# Altium PCB XTIDA-010086.PcbDoc (part 3 of 17)
Units mm, origin at the board's own origin, x right, y up, seen from the top; angles counter-clockwise.
Board outline 375 x 210 mm, 6 copper layers (Top Layer, GND Layer, Signal Layer 1, Signal Layer 2, Power Layer, Bottom Layer), stack 1.575 mm thick; 1884 components, 1036 nets, 4948 pads, 6791 vias.
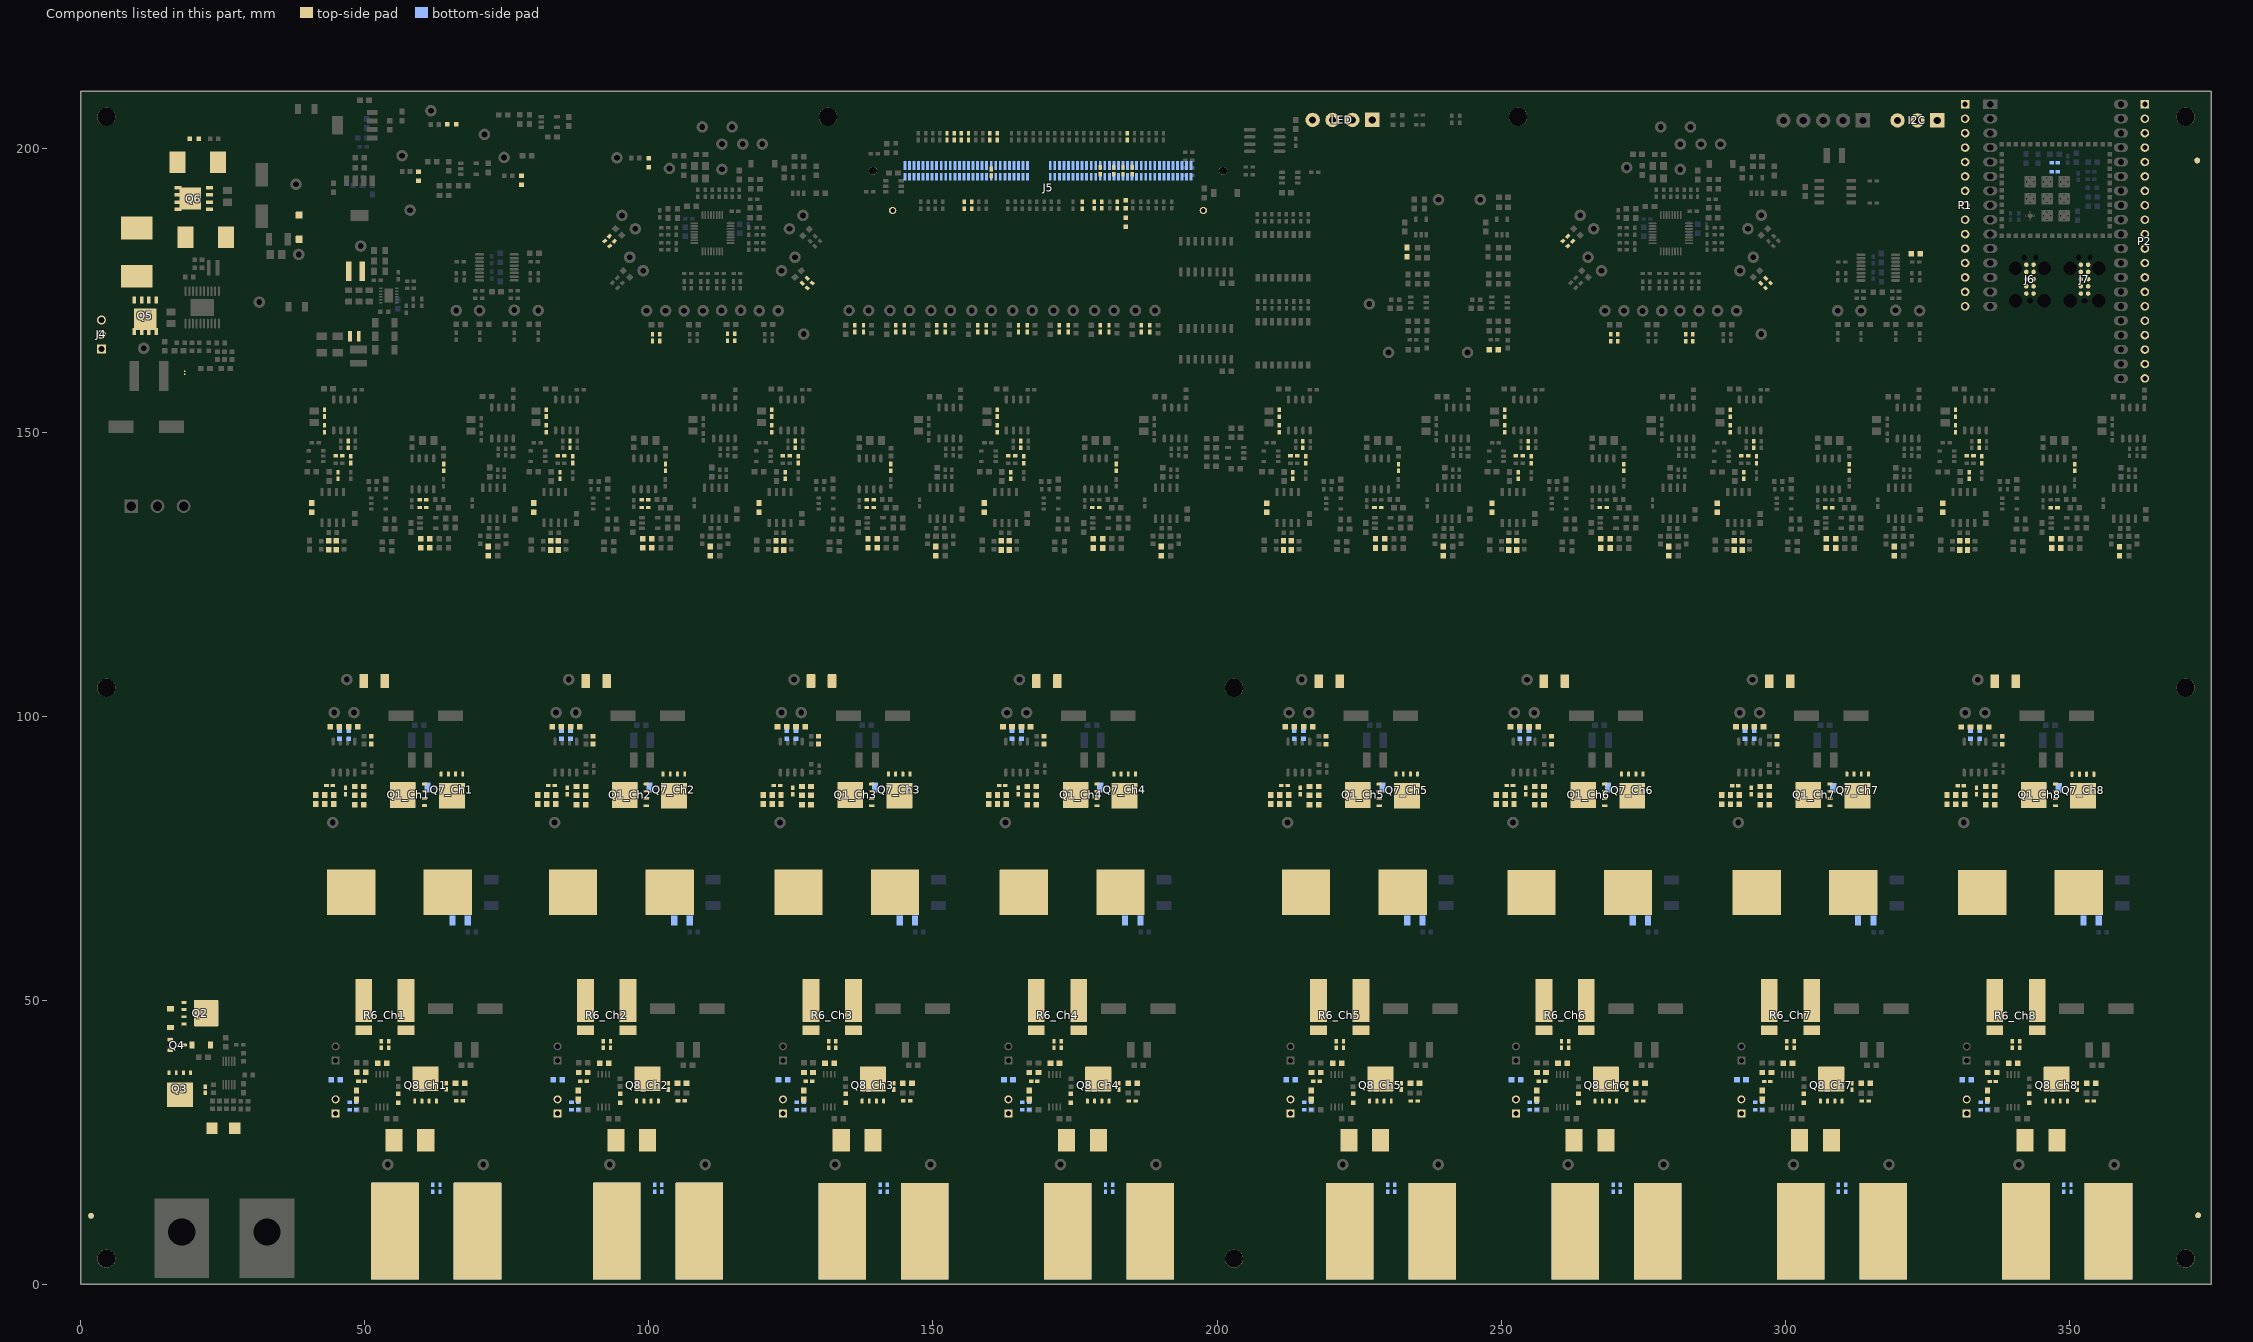
[diagram p7: the components of this part, seen from the top]

## Components (designator, comment, footprint, x,y, rotation, side; value= is the part's Value field where it differs from the comment) (continued)
D3_Ch1 "NSR0240V2T1G" SOD-523 46.586,86.82 r270 top value=40V (schematic designator D3)
D3_Ch2 "NSR0240V2T1G" SOD-523 85.652,86.818 r270 top value=40V (schematic designator D3)
D3_Ch3 "NSR0240V2T1G" SOD-523 125.326,86.816 r270 top value=40V (schematic designator D3)
D3_Ch4 "NSR0240V2T1G" SOD-523 165.001,86.814 r270 top value=40V (schematic designator D3)
D3_Ch5 "NSR0240V2T1G" SOD-523 214.676,86.812 r270 top value=40V (schematic designator D3)
D3_Ch6 "NSR0240V2T1G" SOD-523 254.351,86.81 r270 top value=40V (schematic designator D3)
D3_Ch7 "NSR0240V2T1G" SOD-523 294.026,86.808 r270 top value=40V (schematic designator D3)
D3_Ch8 "NSR0240V2T1G" SOD-523 333.7,86.806 r270 top value=40V (schematic designator D3)
D4_Ch1 "NSR0240V2T1G" SOD-523 43.792,87.785 r180 top value=40V (schematic designator D4)
D4_Ch2 "NSR0240V2T1G" SOD-523 82.858,87.784 r180 top value=40V (schematic designator D4)
D4_Ch3 "NSR0240V2T1G" SOD-523 122.532,87.781 r180 top value=40V (schematic designator D4)
D4_Ch4 "NSR0240V2T1G" SOD-523 162.207,87.779 r180 top value=40V (schematic designator D4)
D4_Ch5 "NSR0240V2T1G" SOD-523 211.882,87.777 r180 top value=40V (schematic designator D4)
D4_Ch6 "NSR0240V2T1G" SOD-523 251.557,87.775 r180 top value=40V (schematic designator D4)
D4_Ch7 "NSR0240V2T1G" SOD-523 291.232,87.773 r180 top value=40V (schematic designator D4)
D4_Ch8 "NSR0240V2T1G" SOD-523 330.906,87.771 r180 top value=40V (schematic designator D4)
D5 "1N4148W-7-F" SOD-123 15.773,46.838 r90 top value=100V
D6 "1N4148W-7-F" SOD-123 21.209,42.139 r180 top value=100V
D7 "NSR0240V2T1G" SOD-523 21.903,34.228 r270 top value=40V
D8 "SMAJ18A" SMA 25.082,27.478 r0 top value=18V
D9 "B530C-13-F" SMC 20.587,197.477 r180 top value=30V
D10 "CDBC5100-G" SMC 21.984,184.32 r0 top value=100V
D11 "150060VS75000" WL-SMCW_GREEN 19.964,201.668 r0 top value=Green
D12 "NSR0240V2T1G" SOD-523 347.485,197.428 r0 bottom value=40V
D13 "NSR0240V2T1G" SOD-523 347.485,195.828 r0 bottom value=40V
D14 "150060VS75000" WL-SMCW_GREEN 99.952,197.434 r90 top value=Green
D15 "150060VS75000" WL-SMCW_GREEN 77.569,194.309 r90 top value=Green
D17 "150060VS75000" WL-SMCW_GREEN 59.438,195.048 r90 top value=Green
D18 "150060VS75000" WL-SMCW_GREEN 65.278,204.155 r180 top value=Green
D33 "150060VS75000" WL-SMCW_GREEN 183.947,186.919 r90 top value=Green
D34_Ch1 "NSR0240V2T1G" SOD-523 49.428,35.697 r0 top value=40V (schematic designator D34)
D34_Ch2 "NSR0240V2T1G" SOD-523 88.494,35.695 r0 top value=40V (schematic designator D34)
D34_Ch3 "NSR0240V2T1G" SOD-523 128.169,35.693 r0 top value=40V (schematic designator D34)
D34_Ch4 "NSR0240V2T1G" SOD-523 167.844,35.691 r0 top value=40V (schematic designator D34)
D34_Ch5 "NSR0240V2T1G" SOD-523 217.518,35.689 r0 top value=40V (schematic designator D34)
D34_Ch6 "NSR0240V2T1G" SOD-523 257.193,35.687 r0 top value=40V (schematic designator D34)
D34_Ch7 "NSR0240V2T1G" SOD-523 296.868,35.685 r0 top value=40V (schematic designator D34)
D34_Ch8 "NSR0240V2T1G" SOD-523 336.543,35.683 r0 top value=40V (schematic designator D34)
D35_Ch1 "NSR0240V2T1G" SOD-523 64.338,34.823 r270 top value=40V (schematic designator D35)
D35_Ch2 "NSR0240V2T1G" SOD-523 103.403,34.821 r270 top value=40V (schematic designator D35)
D35_Ch3 "NSR0240V2T1G" SOD-523 143.078,34.819 r270 top value=40V (schematic designator D35)
D35_Ch4 "NSR0240V2T1G" SOD-523 182.753,34.817 r270 top value=40V (schematic designator D35)
D35_Ch5 "NSR0240V2T1G" SOD-523 232.428,34.815 r270 top value=40V (schematic designator D35)
D35_Ch6 "NSR0240V2T1G" SOD-523 272.103,34.813 r270 top value=40V (schematic designator D35)
D35_Ch7 "NSR0240V2T1G" SOD-523 311.777,34.811 r270 top value=40V (schematic designator D35)
D35_Ch8 "NSR0240V2T1G" SOD-523 351.452,34.809 r270 top value=40V (schematic designator D35)
D36_Ch1 "150060VS75000" WL-SMCW_GREEN 55.867,32.721 r90 top value=Green (schematic designator D36)
D36_Ch2 "150060VS75000" WL-SMCW_GREEN 94.932,32.719 r90 top value=Green (schematic designator D36)
D36_Ch3 "150060VS75000" WL-SMCW_GREEN 134.607,32.717 r90 top value=Green (schematic designator D36)
D36_Ch4 "150060VS75000" WL-SMCW_GREEN 174.282,32.715 r90 top value=Green (schematic designator D36)
D36_Ch5 "150060VS75000" WL-SMCW_GREEN 223.957,32.713 r90 top value=Green (schematic designator D36)
D36_Ch6 "150060VS75000" WL-SMCW_GREEN 263.632,32.711 r90 top value=Green (schematic designator D36)
D36_Ch7 "150060VS75000" WL-SMCW_GREEN 303.306,32.709 r90 top value=Green (schematic designator D36)
D36_Ch8 "150060VS75000" WL-SMCW_GREEN 342.981,32.707 r90 top value=Green (schematic designator D36)
F1_Ch1 "6125FA15A" 6125FA 57.912,25.349 r0 top (schematic designator F1)
F1_Ch2 "6125FA15A" 6125FA 96.977,25.347 r0 top (schematic designator F1)
F1_Ch3 "6125FA15A" 6125FA 136.652,25.345 r0 top (schematic designator F1)
F1_Ch4 "6125FA15A" 6125FA 176.327,25.343 r0 top (schematic designator F1)
F1_Ch5 "6125FA15A" 6125FA 226.002,25.341 r0 top (schematic designator F1)
F1_Ch6 "6125FA15A" 6125FA 265.676,25.339 r0 top (schematic designator F1)
F1_Ch7 "6125FA15A" 6125FA 305.351,25.337 r0 top (schematic designator F1)
F1_Ch8 "6125FA15A" 6125FA 345.026,25.335 r0 top (schematic designator F1)
FID1 "Fiducial" FIDUCIAL10-20 1.803,12.04 r0 top
FID2 "Fiducial" FIDUCIAL10-20 372.712,12.116 r0 top
FID3 "Fiducial" FIDUCIAL10-20 372.56,197.808 r0 top
FID4 "Fiducial" FIDUCIAL10-20 1.803,12.04 r180 bottom
FID5 "Fiducial" FIDUCIAL10-20 372.712,12.116 r180 bottom
FID6 "Fiducial" FIDUCIAL10-20 372.56,197.808 r180 bottom
H1 "NY PMS 440 0025 PH" "NY PMS 440 0025 PH"#1 4.5,205.5 r0 top
H2 "NY PMS 440 0025 PH" "NY PMS 440 0025 PH"#1 370.5,205.5 r0 top
H3 "NY PMS 440 0025 PH" "NY PMS 440 0025 PH"#1 370.5,4.5 r0 top
H4 "NY PMS 440 0025 PH" "NY PMS 440 0025 PH"#1 4.5,4.5 r0 top
H5 "NY PMS 440 0025 PH" "NY PMS 440 0025 PH"#1 370.5,105 r0 top
H6 "NY PMS 440 0025 PH" "NY PMS 440 0025 PH"#2 4.5,105 r0 top
H7 "2205" KEYSTONE_2205 4.5,4.5 r180 bottom
H8 "2205" KEYSTONE_2205 370.5,4.5 r180 bottom
H9 "2205" KEYSTONE_2205 370.5,105 r180 bottom
H10 "2205" KEYSTONE_2205 370.5,205.5 r180 bottom
H11 "2205" KEYSTONE_2205 4.5,205.5 r180 bottom
H12 "2205" KEYSTONE_2205 4.5,105 r180 bottom
H13 "NY PMS 440 0025 PH" "NY PMS 440 0025 PH"#1 203,4.5 r0 top
H14 "NY PMS 440 0025 PH" "NY PMS 440 0025 PH"#1 203,105 r0 top
H15 "2205" KEYSTONE_2205 203,4.5 r180 bottom
H16 "2205" KEYSTONE_2205 203,105 r180 bottom
H17 "NY PMS 440 0025 PH" "NY PMS 440 0025 PH"#1 253,205.5 r0 top
H18 "2205" KEYSTONE_2205 253,205.565 r180 bottom
H19 "NY PMS 440 0025 PH" "NY PMS 440 0025 PH"#1 131.5,205.5 r0 top locked
H20 "2205" KEYSTONE_2205 131.5,205.5 r180 bottom
I2C "Header 3" TERM_BLK_ED555-3DS 326.796,204.851 r180 top
J1_Ch1 "CB25-18-CY" FP-CB25-18-CY_CONN_TERM_LUG_25MM4_7MM9-MFG 55.296,4.902 r90 top (schematic designator J1)
J1_Ch2 "CB25-18-CY" FP-CB25-18-CY_CONN_TERM_LUG_25MM4_7MM9-MFG 94.361,4.9 r90 top (schematic designator J1)
J1_Ch3 "CB25-18-CY" FP-CB25-18-CY_CONN_TERM_LUG_25MM4_7MM9-MFG 134.036,4.898 r90 top (schematic designator J1)
J1_Ch4 "CB25-18-CY" FP-CB25-18-CY_CONN_TERM_LUG_25MM4_7MM9-MFG 173.711,4.896 r90 top (schematic designator J1)
J1_Ch5 "CB25-18-CY" FP-CB25-18-CY_CONN_TERM_LUG_25MM4_7MM9-MFG 223.385,4.894 r90 top (schematic designator J1)
J1_Ch6 "CB25-18-CY" FP-CB25-18-CY_CONN_TERM_LUG_25MM4_7MM9-MFG 263.06,4.892 r90 top (schematic designator J1)
J1_Ch7 "CB25-18-CY" FP-CB25-18-CY_CONN_TERM_LUG_25MM4_7MM9-MFG 302.735,4.89 r90 top (schematic designator J1)
J1_Ch8 "CB25-18-CY" FP-CB25-18-CY_CONN_TERM_LUG_25MM4_7MM9-MFG 342.41,4.888 r90 top (schematic designator J1)
J2_Ch1 "B2B-EH-A(LF)(SN)" JST_B2B-EH-A 44.856,31.293 r90 top (schematic designator J2)
J2_Ch2 "B2B-EH-A(LF)(SN)" JST_B2B-EH-A 83.922,31.291 r90 top (schematic designator J2)
J2_Ch3 "B2B-EH-A(LF)(SN)" JST_B2B-EH-A 123.596,31.289 r90 top (schematic designator J2)
J2_Ch4 "B2B-EH-A(LF)(SN)" JST_B2B-EH-A 163.271,31.287 r90 top (schematic designator J2)
J2_Ch5 "B2B-EH-A(LF)(SN)" JST_B2B-EH-A 212.946,31.285 r90 top (schematic designator J2)
J2_Ch6 "B2B-EH-A(LF)(SN)" JST_B2B-EH-A 252.621,31.283 r90 top (schematic designator J2)
J2_Ch7 "B2B-EH-A(LF)(SN)" JST_B2B-EH-A 292.296,31.281 r90 top (schematic designator J2)
J2_Ch8 "B2B-EH-A(LF)(SN)" JST_B2B-EH-A 331.97,31.279 r90 top (schematic designator J2)
J3_Ch1 "CB25-18-CY" FP-CB25-18-CY_CONN_TERM_LUG_25MM4_7MM9-MFG 69.825,4.902 r90 top (schematic designator J3)
J3_Ch2 "CB25-18-CY" FP-CB25-18-CY_CONN_TERM_LUG_25MM4_7MM9-MFG 108.89,4.9 r90 top (schematic designator J3)
J3_Ch3 "CB25-18-CY" FP-CB25-18-CY_CONN_TERM_LUG_25MM4_7MM9-MFG 148.565,4.898 r90 top (schematic designator J3)
J3_Ch4 "CB25-18-CY" FP-CB25-18-CY_CONN_TERM_LUG_25MM4_7MM9-MFG 188.239,4.896 r90 top (schematic designator J3)
J3_Ch5 "CB25-18-CY" FP-CB25-18-CY_CONN_TERM_LUG_25MM4_7MM9-MFG 237.914,4.894 r90 top (schematic designator J3)
J3_Ch6 "CB25-18-CY" FP-CB25-18-CY_CONN_TERM_LUG_25MM4_7MM9-MFG 277.589,4.892 r90 top (schematic designator J3)
J3_Ch7 "CB25-18-CY" FP-CB25-18-CY_CONN_TERM_LUG_25MM4_7MM9-MFG 317.264,4.89 r90 top (schematic designator J3)
J3_Ch8 "CB25-18-CY" FP-CB25-18-CY_CONN_TERM_LUG_25MM4_7MM9-MFG 356.939,4.888 r90 top (schematic designator J3)
J4 "0022284033" MOLEX_0022284033 3.632,167.183 r90 top
J5 "HSEC8-160-01-X-RA-BL" HSEC8-160-01-X-RA-BL 170.25,187 r180 bottom locked
J6 "10 Pin ProgHeader" TC2050-NL-SMD_W/MOUNT 343.098,176.921 r90 top
J7 "10 Pin ProgHeader" TC2050-NL-SMD_W/MOUNT 352.703,176.921 r90 top
L1_Ch1 "74437324010" WE-LHMI_4020 51.638,106.172 r0 top value=1uH (schematic designator L1)
L1_Ch2 "74437324010" WE-LHMI_4020 90.703,106.17 r0 top value=1uH (schematic designator L1)
L1_Ch3 "74437324010" WE-LHMI_4020 130.378,106.168 r0 top value=1uH (schematic designator L1)
L1_Ch4 "74437324010" WE-LHMI_4020 170.053,106.166 r0 top value=1uH (schematic designator L1)
L1_Ch5 "74437324010" WE-LHMI_4020 219.728,106.164 r0 top value=1uH (schematic designator L1)
L1_Ch6 "74437324010" WE-LHMI_4020 259.403,106.162 r0 top value=1uH (schematic designator L1)
L1_Ch7 "74437324010" WE-LHMI_4020 299.077,106.16 r0 top value=1uH (schematic designator L1)
L1_Ch8 "74437324010" WE-LHMI_4020 338.752,106.158 r0 top value=1uH (schematic designator L1)
L2_Ch1 "74437529203470" "WE-HCF ROUND_2920" 56.083,68.961 r180 top value=47uH (schematic designator L2)
L2_Ch2 "74437529203470" "WE-HCF ROUND_2920" 95.148,68.959 r180 top value=47uH (schematic designator L2)
L2_Ch3 "74437529203470" "WE-HCF ROUND_2920" 134.823,68.957 r180 top value=47uH (schematic designator L2)
L2_Ch4 "74437529203470" "WE-HCF ROUND_2920" 174.498,68.955 r180 top value=47uH (schematic designator L2)
L2_Ch5 "74437529203470" "WE-HCF ROUND_2920" 224.173,68.953 r180 top value=47uH (schematic designator L2)
L2_Ch6 "74437529203470" "WE-HCF ROUND_2920" 263.848,68.951 r180 top value=47uH (schematic designator L2)
L2_Ch7 "74437529203470" "WE-HCF ROUND_2920" 303.522,68.949 r180 top value=47uH (schematic designator L2)
L2_Ch8 "74437529203470" "WE-HCF ROUND_2920" 343.197,68.947 r180 top value=47uH (schematic designator L2)
L3 "MSS1278-473MLB" MSS1278 9.843,181.653 r90 top value=47uH
L4 "BLM41PG102SN1L" 1806_HIGHSPEED 38.43,186.069 r270 top value="1000 ohm"
L5 "MAKK2016T4R7M" MAKK2016 48.171,166.865 r0 top value=4.7uH
L6 "XFL4020-472MEB" XFL4020 48.336,178.308 r0 top value=4.7uH
LBL1 "THT-14-423-10" LABEL_650X200 370.18,179.248 r90 top
LED "Header 4" TERM_BLK_ED555-4DS 227.33,204.94 r180 top
Logo1 "CE Mark" CE_MARK_5MM 360.782,120.117 r0 top
Logo3 "FCC disclaimer" FCC_DISCLAIMER 391.103,15.625 r90 top
Logo4 "WEEE logo" WEEE_MINIMUM 360.782,113.995 r0 top
LOGO5 "CAUTION HOT SURFACE" IEC_HOTSURFACE_SMALL 350.977,112.547 r0 top
Logo6 "Pb-Free Symbol" PB-FREE_OVERLAY_SMALL 368.402,116.713 r0 top
Logo7 "ESD Susceptible" ESD_OVERLAY_MEDIUM 351.104,120.345 r0 top
NT1 "Net-Tie" NET-TIE_10MIL 18.313,160.444 r270 top net-tie
P1 "Header 15" HDR1X15 331.695,207.696 r270 top
P2 "Header 20" HDR1X20 363.325,207.696 r270 top
Q1_Ch1 "CSD18504Q5A" DQJ0008A 57.682,86.131 r180 top value=40V (schematic designator Q1)
Q1_Ch2 "CSD18504Q5A" DQJ0008A 96.748,86.129 r180 top value=40V (schematic designator Q1)
Q1_Ch3 "CSD18504Q5A" DQJ0008A 136.422,86.127 r180 top value=40V (schematic designator Q1)
Q1_Ch4 "CSD18504Q5A" DQJ0008A 176.097,86.125 r180 top value=40V (schematic designator Q1)
Q1_Ch5 "CSD18504Q5A" DQJ0008A 225.772,86.123 r180 top value=40V (schematic designator Q1)
Q1_Ch6 "CSD18504Q5A" DQJ0008A 265.447,86.121 r180 top value=40V (schematic designator Q1)
Q1_Ch7 "CSD18504Q5A" DQJ0008A 305.122,86.119 r180 top value=40V (schematic designator Q1)
Q1_Ch8 "CSD18504Q5A" DQJ0008A 344.796,86.117 r180 top value=40V (schematic designator Q1)
Q2 "CSD16570Q5B" DNK0008A 20.979,47.701 r0 top value=25V
Q3 "CSD16570Q5B" DNK0008A 17.433,34.405 r270 top value=25V
Q4 "MMBTA06-7-F" SOT-23 16.95,42.102 r0 top value="80 V"
Q5 "SI7454DDP-T1-GE3" POWERPAK_SO-8 11.341,170.452 r270 top value=100V
Q6 "SI7454DDP-T1-GE3" POWERPAK_SO-8 19.85,191.102 r180 top value=100V
Q7_Ch1 "CSD18504Q5A" DQJ0008A 65.329,86.996 r270 top value=40V (schematic designator Q7)
Q7_Ch2 "CSD18504Q5A" DQJ0008A 104.394,86.994 r270 top value=40V (schematic designator Q7)
Q7_Ch3 "CSD18504Q5A" DQJ0008A 144.069,86.992 r270 top value=40V (schematic designator Q7)
Q7_Ch4 "CSD18504Q5A" DQJ0008A 183.744,86.99 r270 top value=40V (schematic designator Q7)
Q7_Ch5 "CSD18504Q5A" DQJ0008A 233.418,86.988 r270 top value=40V (schematic designator Q7)
Q7_Ch6 "CSD18504Q5A" DQJ0008A 273.093,86.986 r270 top value=40V (schematic designator Q7)
Q7_Ch7 "CSD18504Q5A" DQJ0008A 312.768,86.984 r270 top value=40V (schematic designator Q7)
Q7_Ch8 "CSD18504Q5A" DQJ0008A 352.443,86.982 r270 top value=40V (schematic designator Q7)
Q8_Ch1 "CSD16570Q5B" DNK0008A 60.681,35.054 r90 top value=25V (schematic designator Q8)
Q8_Ch2 "CSD16570Q5B" DNK0008A 99.746,35.052 r90 top value=25V (schematic designator Q8)
Q8_Ch3 "CSD16570Q5B" DNK0008A 139.421,35.05 r90 top value=25V (schematic designator Q8)
Q8_Ch4 "CSD16570Q5B" DNK0008A 179.095,35.048 r90 top value=25V (schematic designator Q8)
Q8_Ch5 "CSD16570Q5B" DNK0008A 228.77,35.046 r90 top value=25V (schematic designator Q8)
Q8_Ch6 "CSD16570Q5B" DNK0008A 268.445,35.044 r90 top value=25V (schematic designator Q8)
Q8_Ch7 "CSD16570Q5B" DNK0008A 308.12,35.042 r90 top value=25V (schematic designator Q8)
Q8_Ch8 "CSD16570Q5B" DNK0008A 347.795,35.04 r90 top value=25V (schematic designator Q8)
R1_Ch1 "RC0603FR-0710KL" 0603 47.958,98.103 r0 top value=10.0k (schematic designator R1)
R1_Ch2 "RC0603FR-0710KL" 0603 87.023,98.101 r0 top value=10.0k (schematic designator R1)
R1_Ch3 "RC0603FR-0710KL" 0603 126.698,98.099 r0 top value=10.0k (schematic designator R1)
R1_Ch4 "RC0603FR-0710KL" 0603 166.373,98.097 r0 top value=10.0k (schematic designator R1)
R1_Ch5 "RC0603FR-0710KL" 0603 216.048,98.095 r0 top value=10.0k (schematic designator R1)
R1_Ch6 "RC0603FR-0710KL" 0603 255.722,98.093 r0 top value=10.0k (schematic designator R1)
R1_Ch7 "RC0603FR-0710KL" 0603 295.397,98.091 r0 top value=10.0k (schematic designator R1)
R1_Ch8 "RC0603FR-0710KL" 0603 335.072,98.089 r0 top value=10.0k (schematic designator R1)
R2_Ch1 "RC0603JR-070RL" 0603L 47.145,96.726 r270 bottom value=0 (schematic designator R2)
R2_Ch2 "RC0603JR-070RL" 0603L 86.21,96.724 r270 bottom value=0 (schematic designator R2)
R2_Ch3 "RC0603JR-070RL" 0603L 125.885,96.722 r270 bottom value=0 (schematic designator R2)
R2_Ch4 "RC0603JR-070RL" 0603L 165.56,96.72 r270 bottom value=0 (schematic designator R2)
R2_Ch5 "RC0603JR-070RL" 0603L 215.235,96.718 r270 bottom value=0 (schematic designator R2)
R2_Ch6 "RC0603JR-070RL" 0603L 254.91,96.716 r270 bottom value=0 (schematic designator R2)
R2_Ch7 "RC0603JR-070RL" 0603L 294.584,96.714 r270 bottom value=0 (schematic designator R2)
R2_Ch8 "RC0603JR-070RL" 0603L 334.259,96.712 r270 bottom value=0 (schematic designator R2)
R3_Ch1 "RC0603JR-070RL" 0603L 45.52,96.726 r270 bottom value=0 (schematic designator R3)
R3_Ch2 "RC0603JR-070RL" 0603L 84.585,96.724 r270 bottom value=0 (schematic designator R3)
R3_Ch3 "RC0603JR-070RL" 0603L 124.26,96.722 r270 bottom value=0 (schematic designator R3)
R3_Ch4 "RC0603JR-070RL" 0603L 163.934,96.72 r270 bottom value=0 (schematic designator R3)
R3_Ch5 "RC0603JR-070RL" 0603L 213.609,96.718 r270 bottom value=0 (schematic designator R3)
R3_Ch6 "RC0603JR-070RL" 0603L 253.284,96.716 r270 bottom value=0 (schematic designator R3)
R3_Ch7 "RC0603JR-070RL" 0603L 292.959,96.714 r270 bottom value=0 (schematic designator R3)
R3_Ch8 "RC0603JR-070RL" 0603L 332.634,96.712 r270 bottom value=0 (schematic designator R3)
R4_Ch1 "RC1206FR-0710RL" 1206L 59.69,87.401 r0 bottom value=10.0 (schematic designator R4)
R4_Ch2 "RC1206FR-0710RL" 1206L 98.755,87.399 r0 bottom value=10.0 (schematic designator R4)
R4_Ch3 "RC1206FR-0710RL" 1206L 138.43,87.397 r0 bottom value=10.0 (schematic designator R4)
R4_Ch4 "RC1206FR-0710RL" 1206L 178.105,87.395 r0 bottom value=10.0 (schematic designator R4)
R4_Ch5 "RC1206FR-0710RL" 1206L 227.78,87.393 r0 bottom value=10.0 (schematic designator R4)
R4_Ch6 "RC1206FR-0710RL" 1206L 267.454,87.391 r0 bottom value=10.0 (schematic designator R4)
R4_Ch7 "RC1206FR-0710RL" 1206L 307.129,87.389 r0 bottom value=10.0 (schematic designator R4)
R4_Ch8 "RC1206FR-0710RL" 1206L 346.804,87.387 r0 bottom value=10.0 (schematic designator R4)
R5_Ch1 "RC0603FR-0710KL" 0603 44.707,98.103 r0 top value=10.0k (schematic designator R5)
R5_Ch2 "RC0603FR-0710KL" 0603 83.772,98.101 r0 top value=10.0k (schematic designator R5)
R5_Ch3 "RC0603FR-0710KL" 0603 123.447,98.099 r0 top value=10.0k (schematic designator R5)
R5_Ch4 "RC0603FR-0710KL" 0603 163.122,98.097 r0 top value=10.0k (schematic designator R5)
R5_Ch5 "RC0603FR-0710KL" 0603 212.796,98.095 r0 top value=10.0k (schematic designator R5)
R5_Ch6 "RC0603FR-0710KL" 0603 252.471,98.093 r0 top value=10.0k (schematic designator R5)
R5_Ch7 "RC0603FR-0710KL" 0603 292.146,98.091 r0 top value=10.0k (schematic designator R5)
R5_Ch8 "RC0603FR-0710KL" 0603 331.821,98.089 r0 top value=10.0k (schematic designator R5)
R6_Ch1 "Y14880R00500B9R" CSM3637Z 53.518,48.793 r270 top value=5mOhm (schematic designator R6)
R6_Ch2 "Y14880R00500B9R" CSM3637Z 92.583,48.791 r270 top value=5mOhm (schematic designator R6)
R6_Ch3 "Y14880R00500B9R" CSM3637Z 132.258,48.789 r270 top value=5mOhm (schematic designator R6)
R6_Ch4 "Y14880R00500B9R" CSM3637Z 171.933,48.787 r270 top value=5mOhm (schematic designator R6)
R6_Ch5 "Y14880R00500B9R" CSM3637Z 221.607,48.785 r270 top value=5mOhm (schematic designator R6)
R6_Ch6 "Y14880R00500B9R" CSM3637Z 261.282,48.783 r270 top value=5mOhm (schematic designator R6)
R6_Ch7 "Y14880R00500B9R" CSM3637Z 300.957,48.781 r270 top value=5mOhm (schematic designator R6)
R6_Ch8 "Y14880R00500B9R" CSM3637Z 340.632,48.779 r270 top value=5mOhm (schematic designator R6)
R7 "ERJ-3RQFR22V" 0603 248.697,164.455 r0 top value=0.22
R7_Ch1 "CRCW04020000Z0ED" 0402 66.649,32.258 r180 top value=0 (schematic designator R7)
R7_Ch2 "CRCW04020000Z0ED" 0402 105.715,32.256 r180 top value=0 (schematic designator R7)
R7_Ch3 "CRCW04020000Z0ED" 0402 145.389,32.254 r180 top value=0 (schematic designator R7)
R7_Ch4 "CRCW04020000Z0ED" 0402 185.064,32.252 r180 top value=0 (schematic designator R7)
R7_Ch5 "CRCW04020000Z0ED" 0402 234.739,32.25 r180 top value=0 (schematic designator R7)
R7_Ch6 "CRCW04020000Z0ED" 0402 274.414,32.248 r180 top value=0 (schematic designator R7)
R7_Ch7 "CRCW04020000Z0ED" 0402 314.089,32.246 r180 top value=0 (schematic designator R7)
R7_Ch8 "CRCW04020000Z0ED" 0402 353.763,32.244 r180 top value=0 (schematic designator R7)
R8_Ch1 "RC0603JR-070RL" 0603L 51.115,95.79 r90 top value=0 (schematic designator R8)
R8_Ch2 "RC0603JR-070RL" 0603L 90.18,95.788 r90 top value=0 (schematic designator R8)
R8_Ch3 "RC0603JR-070RL" 0603L 129.855,95.786 r90 top value=0 (schematic designator R8)
R8_Ch4 "RC0603JR-070RL" 0603L 169.53,95.784 r90 top value=0 (schematic designator R8)
R8_Ch5 "RC0603JR-070RL" 0603L 219.204,95.782 r90 top value=0 (schematic designator R8)
R8_Ch6 "RC0603JR-070RL" 0603L 258.879,95.78 r90 top value=0 (schematic designator R8)
R8_Ch7 "RC0603JR-070RL" 0603L 298.554,95.778 r90 top value=0 (schematic designator R8)
R8_Ch8 "RC0603JR-070RL" 0603L 338.229,95.776 r90 top value=0 (schematic designator R8)
R9_Ch1 "RC1206FR-0710RL" 1206L 66.751,64.008 r0 bottom value=10.0 (schematic designator R9)
R9_Ch2 "RC1206FR-0710RL" 1206L 105.816,64.006 r0 bottom value=10.0 (schematic designator R9)
R9_Ch3 "RC1206FR-0710RL" 1206L 145.491,64.004 r0 bottom value=10.0 (schematic designator R9)
R9_Ch4 "RC1206FR-0710RL" 1206L 185.166,64.002 r0 bottom value=10.0 (schematic designator R9)
R9_Ch5 "RC1206FR-0710RL" 1206L 234.841,64 r0 bottom value=10.0 (schematic designator R9)
R9_Ch6 "RC1206FR-0710RL" 1206L 274.516,63.998 r0 bottom value=10.0 (schematic designator R9)